# Altium PCB PCB1.PcbDoc
Units mil, origin at the board's own origin, x right, y up, seen from the top; angles counter-clockwise.
Board outline 2455 x 1720 mil, 2 copper layers (Top Layer, Bottom Layer); 50 components, 31 nets, 169 pads, 18 vias.
Unrouted connection lines stored in the file: 33.
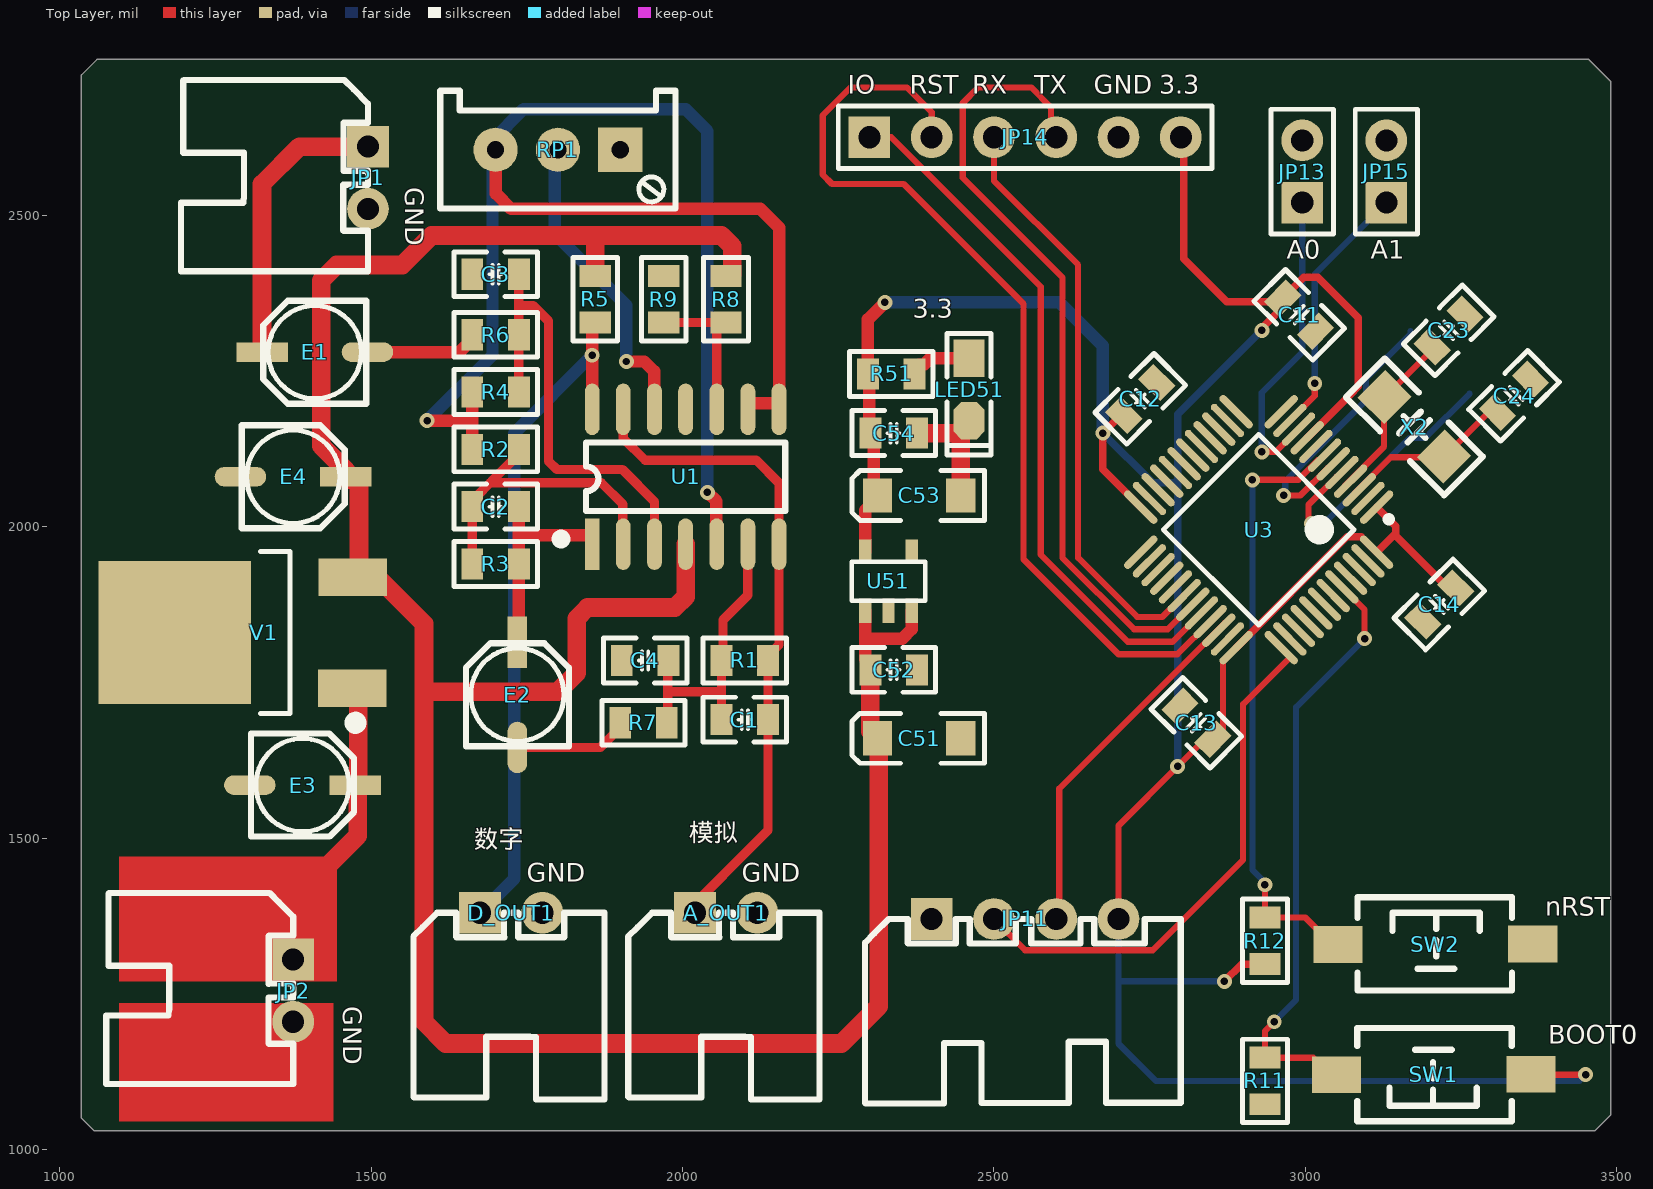
[diagram p0: Top Layer view]
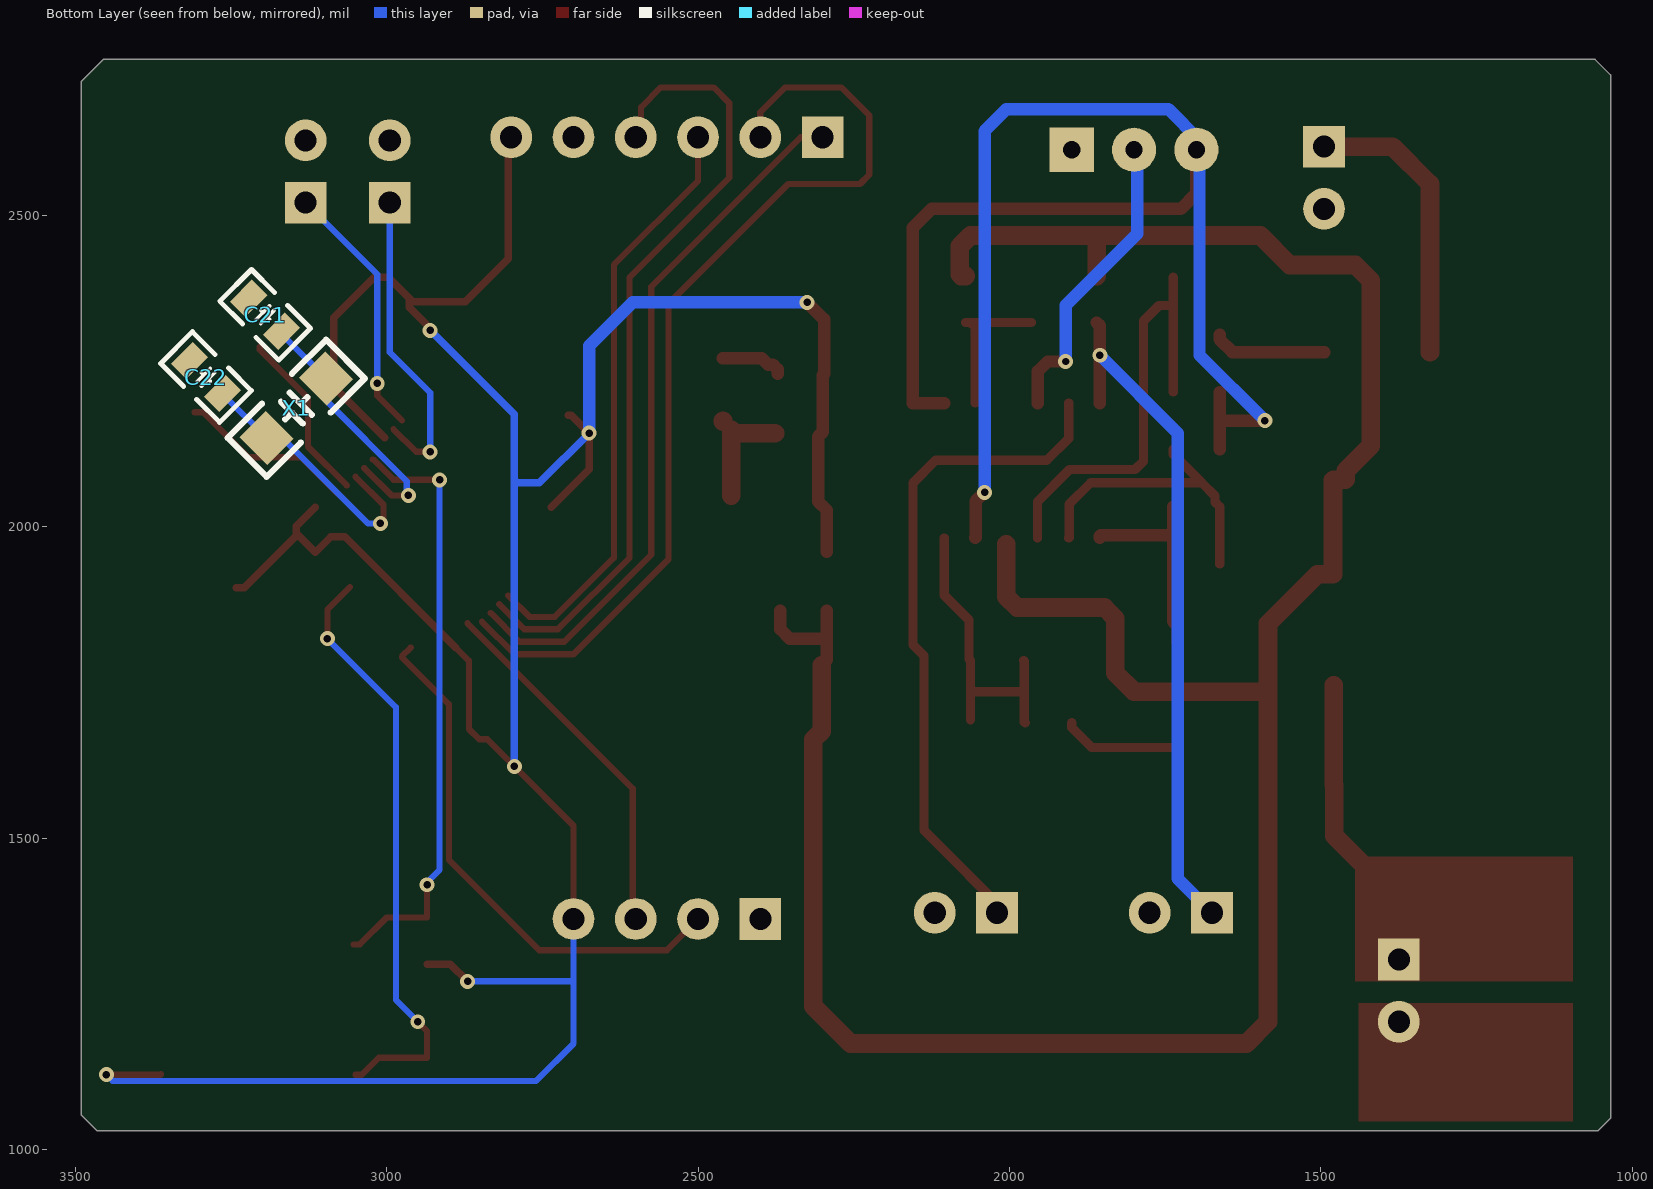
[diagram p1: Bottom Layer view, seen from below]

## Layer stack, top to bottom
Top Solder: solder mask 0.4, Solder Resist, Dk 3.5
Top Layer: signal copper 1.4
Dielectric 1: dielectric 12.6, FR-4, Dk 4.8
Bottom Layer: signal copper 1.4
Bottom Solder: solder mask 0.4, Solder Resist, Dk 3.5

## Board outline
1035,1050 1055,1030 3465,1030 3490,1055 3490,2715 3455,2750 1060,2750 1035,2725

## Design rules (kind name [scope] priority, off if disabled: settings)
Clearance [All] p1: gap=6 ignorepadtopadclearanceinfootprint=FALSE
PlaneConnect [All] p1: planeconnectstyle=Direct reliefexpansion=20 reliefentries=4 reliefconductorwidth=10 reliefairgap=10
PolygonConnect [All] p1: connectstyle=Direct reliefconductorwidth=10 reliefentries=4 polygonreliefangle="90 Angle" airgapwidth=10
RoutingVias [All] p1: holewidth=12 width=24 viastyle="Through Hole" minholewidth=12 minwidth=24 maxholewidth=24 maxwidth=48
SolderMaskExpansion [All] p1: expansion=4
UnRoutedNet [All] p1: checkbadconnections=TRUE
Width [All] p1: maxlimit=999 minlimit=6 preferedwidth=10
28 further rules are at their usual default settings.

## Components (designator, comment, footprint, x,y, rotation, side; value= is the part's Value field where it differs from the comment)
A_OUT1 "HDR-1X2" XH2.54-WI-2P 2070,1380 r0 top
C1 "470nf" "C 0805_L" 2100,1690 r0 top
C2 "68pf" "C 0805_L" 1700,2032 r0 top
C3 "22nf" "C 0805_L" 1700,2405 r0 top
C4 "22nf" "C 0805_L" 1940,1785 r0 top
C11 "0.1uf" "C 0805_L" 2990,2340 r135 top
C12 "0.1uf" "C 0805_L" 2735,2205 r225 top
C13 "0.1uf" "C 0805_L" 2825,1685 r315 top
C14 "0.1uf" "C 0805_L" 3215,1875 r45 top
C21 "104" "C 0805_L" 3195,2340 r225 bottom locked
C22 "104" "C 0805_L" 3290,2240 r225 bottom locked
C23 "104" "C 0805_L" 3230,2315 r225 top locked
C24 "104" "C 0805_L" 3335,2210 r225 top locked
C51 "10uF/16V" "CD A(3216)" 2380,1660 r0 top
C52 "0.1uF" "C 0805_L" 2338.99,1770 r180 top
C53 "10uF/16V" "CD A(3216)" 2380,2050 r0 top
C54 "0.1uF" "C 0805_L" 2338.99,2150 r180 top
D_OUT1 "HDR-1X2" XH2.54-WI-2P 1725,1380 r0 top
E1 "0.1uf" "CM B(4*5.4)" 1409.65,2280 r180 top
E2 "10uF" "CM B(4*5.4)" 1735,1730 r90 top
E3 "100UF" "CM B(4*5.4)" 1390,1585 r0 top
E4 "100UF" "CM B(4*5.4)" 1375,2080 r0 top
JP1 "HDR-1X2" XH2.54-WI-2P 1495,2560 r270 top
JP2 "HDR-1X2" XH2.54-WI-2P 1375,1255 r270 top
JP11 "HDR-1X4" XH2.54-WI-4P 2550,1370 r0 top
JP13 "HDR-1X2" HDR2.54-LI-2P 2995,2570 r90 top
JP14 "HDR-1X6" HDR2.54-M-LI-6P 2550,2625 r0 top
JP15 "HDR-1X2" HDR2.54-LI-2P 3130,2570 r90 top
LED51 "红色" "LED 0805G" 2460,2220 r270 top
R1 "500K" "R 0805_L" 2100,1785 r0 top
R2 "1K" "R 0805_L" 1700,2124 r0 top
R3 "30K" "R 0805_L" 1700,1940 r0 top
R4 "2M" "R 0805_L" 1700,2215.99 r180 top
R5 "10K" "R 0805_L" 1860,2365 r90 top
R6 "15K" "R 0805_L" 1700,2308 r0 top
R7 "100K" "R 0805_L" 1937.4,1685 r0 top
R8 "30K" "R 0805_L" 2070,2365 r90 top
R9 "20K" "R 0805_L" 1970,2365 r270 top
R11 "1K" "R 0805_L" 2935,1110 r270 top
R12 "1K" "R 0805_L" 2935,1335 r90 top
R51 "2.7K" "R 0805_L" 2335,2245 r0 top
RP1 "10K" 3296W 1800,2605 r180 top
SW1 "3x6x5" "TSW SMD-3*6*2.5" 3205,1120 r180 top
SW2 "3x6x5" "TSW SMD-3*6*2.5" 3210,1330 r0 top
U1 "LM324" SOP14_M 2005,2080 r90 top
U3 "STM32F103C8T6" LQFP48_N 2925,1995 r225 top
U51 "RT9013-33" SOT23-5 2293.22,1865 r0 top
V1 "78xx" TO252 1350,1830 r90 top
X1 "8M" "C 1206_M" 3145,2190 r135 bottom locked
X2 "8M" "C 1206_M" 3175,2160 r135 top locked

## Footprints (in the part's own frame and the unit in brackets; to place one, negate y for a bottom-side part, rotate by r counter-clockwise, add the part's x,y. Pads: shape width x height; smd on the part's side, far side on the other; paste and mask are expansions set on the pad)
3296W [mm] "Precise Multi-Winding Adjustable Resistor"
  rect 1.8x1.8 hole 0.7: 1(-2.54,0)
  round 1.8 hole 0.7: 2(0,0) 3(2.54,0)
  silkscreen extent -4.8,-2.4 4.8,2.4, body extent -4.75,-2.4 4.75,2.4, height 11.52
"C 0805_L" [mil] "无极性贴片电容                                        淘宝ID:黄晶宝石"
  rect 35x50 smd: 1(-37.4,0) 2(37.4,0)
  silkscreen extent -67,-36 67,36, body extent -39,-24 39,24, height 20
"C 1206_M" [mil] "无极性贴片电容"
  rect 60x62.99 smd: 1(-67.5,0) 2(67.5,0)
  silkscreen extent -111,-44 111,44, body extent -63,-32 63,32, height 48
"CD A(3216)" [mm] "长3.2mm，宽1.6mm，厚1.6mm      淘宝ID:黄晶宝石"
  rect 1.2x1.4 smd: 1(-1.7,0) 2(1.7,0)
  silkscreen extent -2.74,-1.02 2.67,1.02, body extent -1.6,-0.8 1.6,0.8, height 1.6
"CM B(4*5.4)" [mm] "贴片电解电容，直径4mm，高5.4mm          淘宝ID:黄晶宝石"
  rect 2.1x0.8 smd: 1(2.15,0)
  oval 2.1x0.8 smd: 2(-2.15,0)
  silkscreen extent -2.1,-2.1 2.1,2.1, body extent -2.3,-2.12 2.3,2.18, height 5.4
HDR2.54-LI-2P [mm] "封装库来自淘宝卖家 ID：黄晶宝石"
  rect 1.7x1.7 hole 0.9: 1(-1.27,0)
  round 1.7 hole 0.9: 2(1.27,0)
  silkscreen extent -2.54,-1.27 2.54,1.27, body extent -2.54,-1.27 2.54,1.27, height 8.5
HDR2.54-M-LI-6P [mm] "排母，6脚  淘宝ID:黄晶宝石   店铺网址:https://shop463601444.taobao.com"
  rect 1.7x1.7 hole 0.9: 1(-6.35,0)
  round 1.7 hole 0.9: 2(-3.81,0) 3(-1.27,0) 4(1.27,0) 5(3.81,0) 6(6.35,0)
  silkscreen extent -7.62,-1.27 7.62,1.27, body extent -7.62,-1.27 7.62,1.27, height 8.5
"LED 0805G" [mil] "绿色0805LED                              淘宝ID:黄晶宝石"
  rect 60x50 smd: 1(-50,0)
  oct 60x50 smd: 2(50,0)
  silkscreen extent -90,-35 105,35, body extent -39,-25 39,25, height 32
LQFP48_N [mm] "封装库来自淘宝 ID：黄晶宝石 Thin QFP, 48-Leads, Body 7x7mm, Pitch 0.5mm, IPC Medium Density"
  oval 1.8x0.3 smd: 1(-4.05,2.75) 2(-4.05,2.25) 3(-4.05,1.75) 4(-4.05,1.25) 5(-4.05,0.75) 6(-4.05,0.25) 7(-4.05,-0.25) 8(-4.05,-0.75) 9(-4.05,-1.25) 10(-4.05,-1.75) 11(-4.05,-2.25) 12(-4.05,-2.75) 25(4.05,-2.75) 26(4.05,-2.25) 27(4.05,-1.75) 28(4.05,-1.25) 29(4.05,-0.75) 30(4.05,-0.25) 31(4.05,0.25) 32(4.05,0.75) 33(4.05,1.25) 34(4.05,1.75) 35(4.05,2.25) 36(4.05,2.75)
  oval 0.3x1.8 smd: 13(-2.75,-4.05) 14(-2.25,-4.05) 15(-1.75,-4.05) 16(-1.25,-4.05) 17(-0.75,-4.05) 18(-0.25,-4.05) 19(0.25,-4.05) 20(0.75,-4.05) 21(1.25,-4.05) 22(1.75,-4.05) 23(2.25,-4.05) 24(2.75,-4.05) 37(2.75,4.05) 38(2.25,4.05) 39(1.75,4.05) 40(1.25,4.05) 41(0.75,4.05) 42(0.25,4.05) 43(-0.25,4.05) 44(-0.75,4.05) 45(-1.25,4.05) 46(-1.75,4.05) 47(-2.25,4.05) 48(-2.75,4.05)
  silkscreen extent -4.17,-2.75 2.75,3.57, body extent -4.5,-4.5 4.5,4.5, height 1.45
"R 0805_L" [mil] "1/8W贴片电阻"
  rect 35x50 smd: 1(-37.4,0) 2(37.4,0)
  silkscreen extent -67,-36 67,36, body extent -39,-25 39,25, height 20
SOP14_M [mm] "8.7*6.2*1.8mm（长宽高）"
  rect 2.1x0.6 smd: 1(-2.75,3.81)
  oval 2.1x0.6 smd: 2(-2.75,2.54) 3(-2.75,1.27) 4(-2.75,0) 5(-2.75,-1.27) 6(-2.75,-2.54) 7(-2.75,-3.81) 8(2.75,-3.81) 9(2.75,-2.54) 10(2.75,-1.27) 11(2.75,0) 12(2.75,1.27) 13(2.75,2.54) 14(2.75,3.81)
  silkscreen extent -2.67,-4.06 1.4,5.21, body extent -3,-4.35 3,4.35, height 1.9
SOT23-5 [mm] "封装库来自淘宝卖家 ID：黄晶宝石"
  rect 0.5x1 smd: 1(0,0) 2(0.95,0) 3(1.9,0) 4(1.9,2.4) 5(0,2.4)
  silkscreen extent -0.55,0.4 2.45,2, body extent -0.5,-0.2 2.4,2.6, height 1.09
TO252 [mil] "252晶体管"
  rect 60x110 smd: 1(-89.55,-119.77) 3(88.45,-120.77)
  rect 230x245 smd: 2(0,165.35)
  silkscreen extent -153,-133 130,28, body extent -128,-120 128,251, height 91
"TSW SMD-3*6*2.5" [mm] "3*6*2.5mm"
  rect 2x1.5 smd: 1(-3.996,-0.02) 2(3.937,0)
  silkscreen extent -3.21,-1.9 3.09,1.9, body extent -4,-1.88 4,1.62, height 2.59
XH2.54-WI-2P [mm] "接插件，2P"
  rect 1.7x1.7 hole 0.9: 1(-1.27,0)
  round 1.7 hole 0.9: 2(1.27,0)
  silkscreen extent -3.99,-7.62 3.81,0, body extent -3.77,-7.35 3.77,0.35, height 5.73
XH2.54-WI-4P [mm] "接插件，4P"
  rect 1.7x1.7 hole 0.9: 1(-3.81,0)
  round 1.7 hole 0.9: 2(-1.27,0) 3(1.27,0) 4(3.81,0)
  silkscreen extent -6.53,-7.53 6.35,0, body extent -6.31,-7.35 6.31,0.35, height 5.73

## Part data
A_OUT1 D_OUT1 JP1 JP2 JP13 JP15: library part "Header 2", "2P接插件"
  A_OUT1 D_OUT1 JP1 JP2: BOM名称=2P, 版权归属=·â×, 联系售后=https://shop463601444.taob
C1 C2 C3 C4 C11 C12 C13 C14 C21 C22 C23 C24 C52 C54 X1 X2: library part C, "贴片电容"
  C52 C54: BOM名称=无极性, 淘宝ID=封装库来自淘宝, 联系售后=https://shop463601444.taobao.
C51 C53: library part CT, "贴片钽电容", BOM名称=贴片, 淘宝ID=封装库来自淘宝, 联系售后=https://shop463601444.taobao.
E1 E2 E3 E4: library part CE_SMD, "贴片电解电容"
JP11: library part "Header 4", "4P接插件", BOM名称=4P, 学习资源=https://shop463601444.taob, 版权归属=·â×
JP14: library part "Header 6", "6P接插件"
LED51: library part LED-SMD, "贴片LED", BOM名称=贴片, 学习资源=https://shop463601444.taobao., 版权归属=封装库来自淘
R1 R2 R3 R4 R5 R6 R7 R8 R9 R11 R12 R51: library part R, "贴片电阻"
  R51: BOM名称=ÌùÆ, 版权归属=来自淘宝, 联系售后=https://shop463601444.taobao.
RP1: library part RP, "单联电位器", BOM名称=², 版权归属=·â×, 联系售后=https://shop463601444.taob
SW1 SW2: library part "TSW 3x6", "3x6轻触开关", BOM名称=3x6Ç, 学习资源=www.oooc, 版权归属=·â×
U1: "4运放"
U3: "STM32 ARM-based 32-bit MCU Performance Line with 64 kB Flash, 20 kB Internal RAM, -40 to +85癈 Temperature, 48-Pin LQFP, Tray"
U51: "稳压芯片"
V1: "线性稳压芯片"

## Via types
v1: diameter 24, hole 12, Top Layer to Bottom Layer, 18 vias

## Nets (pads, with @x,y where several pads share a name; then routed paths per layer and width w, separated by ;. In a path a pad name is that pad's centre, name@x,y a point inside that pad or via, vN(x,y) a via of type N, cw(c..) or ccw(c..) an arc to the next point about the centre after c; other vN are vias at no path point)
+2: R2.1 R4.2 RP1.3 U1.5 U1.8 U1.9 | length 2574.4
  Top Layer w20: v1(1590,2170) 1662.6,2170 ; R2.1 1662.6,2170 ; R4.2 1662.6,2170 ; RP1.3@1695,2600 1700.43,2594.57 1700.43,2534.57 1725,2510 2125,2510 2155,2480 2155,2198.27 U1.9@2105,2198.27 ; v1(2040,2055) 2054.31,2040.69 2054.31,1982.43 U1.5@2055,1981.73
  Bottom Layer w20: v1(1590,2170) 1695,2275 1695,2600 1695,2620 1745,2670 2005,2670 2040,2635 v1(2040,2055)
+3.3: C11.2 C12.2 C13.2 C14.2 C53.1 C54.2 JP11.4 JP14.6 R12.1 R51.1 SW1.1 U3.1 U3.9 U3.24 U3.36 U3.48 U51.5 | length 5259.4
  Top Layer w10: JP11.4 2700,1520 v1(2795,1615) 2838.55,1658.55 C13.2 2867.93,1675.04 2867.93,1784.82 U3.36 ; SW1.1 3363.1,1120 v1(3450,1120)
  Top Layer w12: C12.2 2703.56,2178.56 v1(2675,2150) 2675,2091.89 U3.24 ; JP14.6 2805,2620 2805,2430 2873.86,2361.14 2958.25,2361.14 C11.2 ; v1(2870,1270) 2897.6,1297.6 R12.1 ; U3.36 3066.79,1983.67 3089.31,1983.67 3114.17,1958.81 U3.48 3145,1989.51 ; v1(2930,2315) 2930,2318.25 2963.56,2351.8 C11.2 ; U3.9 3071.79,2211.38 3071.79,2211.64 3085,2224.86 3085,2335 3020,2400 2997.11,2400 C11.2 ; U3.1 3145,2000.49 3145,1989.51 ; C14.2 3228.56,1901.44 3145,1985 3145,1989.51
  Top Layer w20: U51.5 2293.22,2026.21 2307.33,2040.32 2307.33,2144.26 C54.2 2299.59,2152 2299.59,2243 R51.1 2297.6,2332.6 v1(2325,2360)
  Bottom Layer w10: JP11.4 2700,1270 ; v1(2870,1270) 2700,1270 ; v1(3450,1120) 3440,1110 2760,1110 2700,1170 2700,1270
  Bottom Layer w12: v1(2675,2150) 2755,2070 2790,2070 2795,2075 ; v1(2795,1615) 2795,2075 ; v1(2930,2315) 2795,2180 2795,2075
  Bottom Layer w20: v1(2325,2360) 2605,2360 2675,2290 v1(2675,2150)
AD1: JP13.1 U3.10 | length 501.1
  Top Layer w10: v1(2930,2120) 2952.56,2120 U3.10
  Bottom Layer w10: v1(2930,2120) 2930,2215 2995,2280 JP13.1
AD2: JP15.1 U3.11 | length 413.9
  Top Layer w10: U3.11 2975.38,2170.38 3015,2210 v1(3015,2230)
  Bottom Layer w10: v1(3015,2230) 3015,2405 JP15.1
BOOT0: R11.1 SW1.2 U3.44 | length 963.4
  Top Layer w10: v1(2950,1205) 2935,1190 R11.1 3012.75,1147.4 3040.16,1120 SW1.2 ; U3.44 3095,1866.76 v1(3095,1820)
  Bottom Layer w10: v1(2950,1205) 2985,1240 2985,1710 v1(3095,1820)
GND: A_OUT1.2 C3.1 C4.1 C11.1 C12.1 C13.1 C14.1 C21.1 C22.1 C23.1 C24.1 C51.2 C52.1 C53.2 C54.1 D_OUT1.2 E3.2 E4.2 JP1.2 JP2.2 JP11.1 JP13.2 JP14.5 JP15.2 LED51.2 R9.1 R11.2 RP1.1 SW2.2 U1.11 U3.8 U3.23 U3.35 U3.47 U51.2 V1.2 | length 179.8
  Top Layer w30: C54.1 2441.29,2150 2446.93,2155.64 C53.2 ; LED51.2@2460,2168.71 LED51.2
IO: JP14.1 U3.32 | length 1139.7
  Top Layer w10: JP14.1 2335,2625 2575,2385 2575,1955 2715,1815 2786.76,1815 U3.32
NetA_OUT1_1: A_OUT1.1 C1.2 R1.2 U1.7 U1.13 | length 1102.7
  Top Layer w15: U1.13@1905,2198.27 1905,2141.43 1940.08,2106.35 2118.65,2106.35 2155,2070 2155,1981.73 2155,1810.1 2137.4,1792.5 R1.2 C1.2 2137.4,1512.4 A_OUT1.1@1995,1370
NetC1_1: C1.1 C4.2 R1.1 R7.2 U1.6 | length 497.9
  Top Layer w15: R7.2 1976.1,1686.3 1976.1,1735 ; C4.2 1976.1,1783.7 1976.1,1735 ; C1.1 2062.6,1737.5 ; U1.6@2105,1981.73 2105,1890 2065,1850 2065,1787.4 R1.1 2062.6,1737.5 ; 1976.1,1735 2060.1,1735 2062.6,1737.5
NetC2_1: C2.1 R2.2 R3.1 U1.2 | length 493
  Top Layer w15: R3.1 C2.1 1670.1,2039.5 1670.1,2049.2 1691.4,2070.5 1869.5,2070.5 1904.31,2035.69 1904.31,1982.43 U1.2@1905,1981.73 ; 1693.9,2073 1737.4,2116.5 R2.2
NetC2_2: C2.2 E2.1 R3.2 U1.1 | length 341.2
  Top Layer w20: E2.1@1730,1814.65 1730,1840.24 1737.4,1847.63 R3.2 1737.4,1986 ; C2.2 1737.4,1986 ; U1.1@1855,1981.73 1855,1984.19 1853.19,1986 1737.4,1986
NetC3_2: C3.2 R4.1 R6.2 U1.3 | length 722.1
  Top Layer w15: R4.1 1737.4,2355 ; C3.2@1737.4,2399.99 1737.4,2355 ; U1.3@1955,1981.73 1955,2040 1903.5,2091.5 1798.5,2091.5 1785,2105 1785,2330 1760,2355 1737.4,2355
NetD_OUT1_1: D_OUT1.1 R5.1 U1.14 | length 1122.2
  Top Layer w20: U1.14@1855,2198.27 v1(1855,2275) 1855,2322.59 R5.1
  Bottom Layer w20: D_OUT1.1@1660,1365 1730,1435 1730,2150 v1(1855,2275)
NetE1_1: E1.1 JP1.1 | length 464.9
  Top Layer w30: E1.1 1325,2550 1385,2610 JP1.1
NetE1_2: E1.2 R6.1 | length 184.3
  Top Layer w20: E1.2 1642.1,2280 1662.6,2300.5 R6.1
NetE2_2: E2.2 R7.1 | length 185.8
  Top Layer w15: E2.2 1867.85,1645.35 1900,1677.5 R7.1
NetE3_1: E3.1 JP2.1 V1.1 | length 368.4
  Top Layer w30: 1400,1410 1400,1425 1478.88,1503.88 1478.88,1585 1479.63,1585.75 1479.63,1615 V1.1@1479.63,1745.45
NetLED51_1: LED51.1 R51.2 | length 102.4
  Top Layer w20: R51.2 2372.4,2252.5 2379.9,2260 2387.4,2260 2397.4,2270 LED51.1
NetR8_1: R8.1 R9.2 U1.10 | length 244.9
  Top Layer w15: R9.2@1965.01,2327.6 R8.1 2062.5,2327.6 2055,2320.09 U1.10@2055,2198.27
NetRP1_2: RP1.2 U1.12 | length 484.8
  Top Layer w20: v1(1910,2265) 1938.64,2265 1954.31,2249.33 1954.31,2198.96 U1.12@1955,2198.27
  Bottom Layer w20: RP1.2@1795,2600 1795,2470 1910,2355 v1(1910,2265)
nRST: R12.2 SW2.1 U3.7 | length 967.2
  Top Layer w10: v1(2915,2075) 2988.83,2075 3021.67,2107.84 U3.7@3022.16,2107.84 ; v1(2935,1425) R12.2 2999.66,1372.4 3042.84,1329.21 SW2.1
  Bottom Layer w10: v1(2915,2075) 2915,1448.79 2935,1428.79 v1(2935,1425)
OSC_IN: C22.2 U3.5 X1.1 | length 433.8
  Top Layer w10: v1@3005,2005 3005,2035 U3.5@3050,2080
  Bottom Layer w10: v1(3010,2005) 3030,2005 3167.27,2142.27 X1.1 3263.56,2213.1 C22.2
OSC_OUT: C21.2 U3.6 X1.2 | length 442.1
  Top Layer w10: v1@2960,2050 2992.16,2050 U3.6@3036.08,2093.92
  Bottom Layer w10: v1(2965,2050) 2967.68,2052.68 2967.68,2072.78 3097.27,2202.37 X1.2 3168.56,2309.02 C21.2
RST: JP14.2 U3.33 | length 1548.1
  Top Layer w10: JP14.2 2400,2665 2360,2705 2270,2705 2225,2660 2225,2565 2240,2550 2355,2550 2547.5,2357.5 2547.5,1947.5 2700,1795 2794.6,1795 U3.33
RX: JP14.3 U3.30 | length 954.7
  Top Layer w10: JP14.3 2500,2555 2635,2420 2635,1950 2730,1855 2770.59,1855 2804.8,1889.21 U3.30
SOC32_IN: C24.2 U3.3 X2.1 | length 285.1
  Top Layer w10: U3.3@3077.84,2052.16 3136.89,2111.21 3221.67,2111.21 X2.1 3294.02,2183.56 C24.2
SOC32_OUT: C23.2 U3.4 X2.2 | length 280.3
  Top Layer w10: U3.4@3063.92,2066.08 3126.21,2128.37 3126.21,2206.67 X2.2 3203.55,2284.01 C23.2
SWCLK: JP11.2 U3.37 | length 858.5
  Top Layer w10: JP11.2 2550,1320 2755,1320 2900,1465 2900,1715 2975.35,1790.35 2975.35,1791.53 U3.37
SWDIO: JP11.3 U3.34 | length 586.6
  Top Layer w10: JP11.3 2605,1375 2605,1579.32 U3.34@2870.34,1844.66
TX: JP14.4 U3.31 | length 1286.7
  Top Layer w10: JP14.4 2591.54,2633.46 2591.54,2673.46 2560,2705 2475,2705 2450,2680 2450,2560 2610,2400 2610,1950 2725,1835 2778.92,1835 U3.31
VCC: C51.1 C52.2 E4.1 R5.2 R8.2 U1.4 U51.1 U51.3 V1.3 | length 4228
  Top Layer w20: C52.2@2293.22,1785.88 2293.22,1820 2352.84,1820 2368.02,1835.18 U51.3 ; 2293.22,1825.44 U51.1
  Top Layer w30: R5.2 1860,2467.42 ; U1.4 2005,1887.57 1987.43,1870 1847.57,1870 1830,1852.43 1830,1765 1800,1735 1585,1735 ; R8.2 2077.5,2402.4 2080,2404.9 2080,2449.85 2062.43,2467.42 1860,2467.42 ; C52.2@2301.59,1777.5 C52.2 2301.59,1671.48 C51.1 2315,1658.07 2315,1230 2255,1170 1620,1170 1585,1205 1585,1735 ; 1585,1735 1585,1844.08 1505.63,1923.45 1480.63,1923.45 1480.63,2074.25 1479.88,2075 1460.87,2075 1460.12,2075.75 1460.12,2089.53 1420,2129.65 1420,2395 1445,2420 1550,2420 1597.42,2467.42 1860,2467.42
pads on no net: U3.2 U3.12 U3.13 U3.14 U3.15 U3.16 U3.17 U3.18 U3.19 U3.20 U3.21 U3.22 U3.25 U3.26 U3.27 U3.28 U3.29 U3.38 U3.39 U3.40 U3.41 U3.42 U3.43 U3.45 U3.46 U51.4

## Other copper
Top Layer:
  rectangle net GND: 1095,1045 1440,1235
  rectangle net NetE3_1: 1095,1270 1445,1470

## Silkscreen, mask and mechanical layers (free items; w line width, h text height)
Top Overlay:
  text "IO" at 2265,2695 h30
  text "RST" at 2365,2695 h30
  text "RX" at 2465,2695 h30
  text "TX" at 2565,2695 h30
  text "GND" at 2660,2695 h30
  text "3.3" at 2765,2695 h30
  text "GND" at 1555,2545 h30 r270
  text "A0" at 2970,2430 h30
  text "A1" at 3105,2430 h30
  text "3.3" at 2370,2335 h30
  text "模拟" at 2010,1485 h50
  text "数字" at 1665,1475 h50
  text "GND" at 1750,1430 h30
  text "GND" at 2095,1430 h30
  text "nRST" at 3385,1375 h30
  text "GND" at 1455,1230 h30 r270
  text "BOOT0" at 3390,1170 h30
Top Solder:
  rectangle: 1100,1050 1445,1240
  rectangle: 1095,1270 1445,1470
Mechanical 1:
  the board outline again, w10